# KiCad board CYOA_Ortho.kicad_pcb
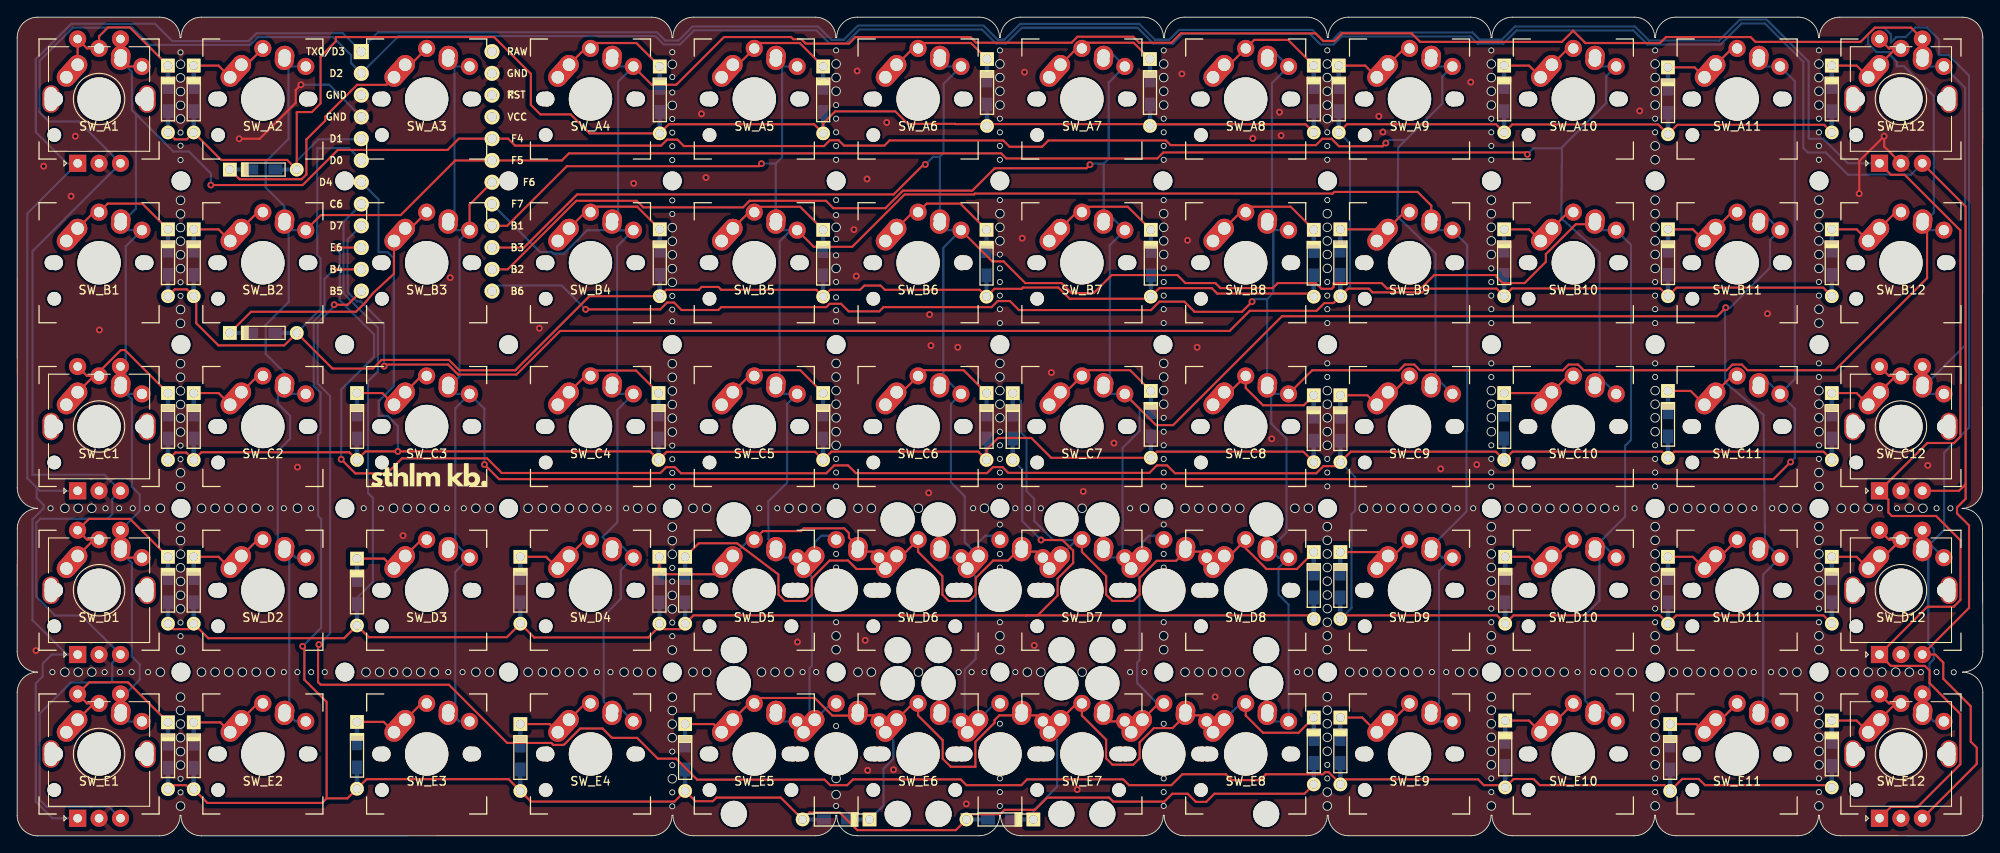
[diagram p0: board, top side]
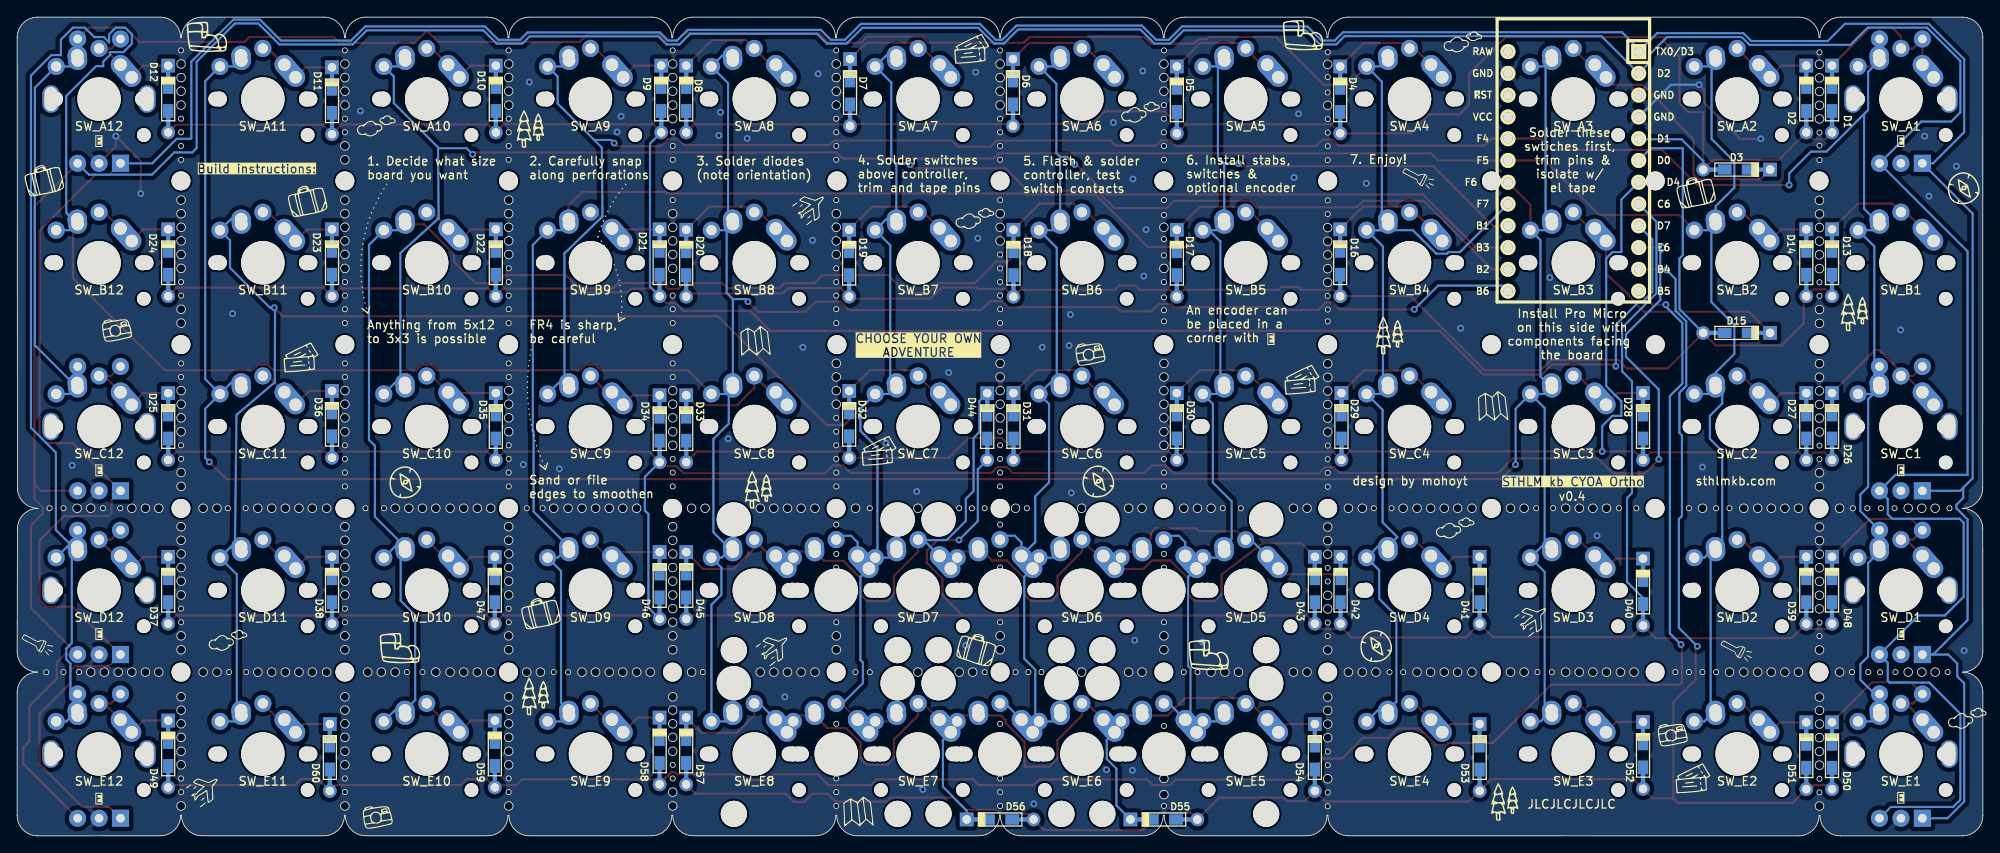
[diagram p1: board, bottom side, seen from below]

Outline 229.2 x 95.5 mm; copper layers: Top, Bottom. Coordinates in mm from the lower left corner of the outline.
Outline path: circle c3.89,38.21 r0.3 ; circle c4.11,19.1 r0.3 ; circle c5.56,38.21 r0.5 ; circle c5.56,19.1 r0.5 ; circle c7.12,38.21 r0.5 ; circle c7.12,19.1 r0.5 ; circle c8.71,38.21 r0.5 ; circle c8.71,19.1 r0.5 ; circle c10.2,19.1 r0.3 ; circle c10.3,38.21 r0.3 ; circle c11.89,38.21 r0.3 ; circle c11.99,19.1 r0.3 ; circle c13.36,19.1 r0.3 ; circle c13.48,38.21 r0.3 ; circle c15.14,38.21 r0.3 ; circle c15.26,19.1 r0.3 ; circle c16.7,38.21 r0.5 ; circle c16.7,19.1 r0.5 ; circle c19.05,91.39 r0.3 ; circle c19.05,90.01 r0.5 ; circle c19.05,88.42 r0.5 ; circle c19.05,86.83 r0.5 ; circle c19.05,85.21 r0.5 ; circle c19.05,83.63 r0.5 ; circle c19.05,82.04 r0.3 ; circle c19.05,80.5 r0.3 ; circle c19.05,78.83 r0.3 ; circle c19.05,74.13 r0.5 ; circle c19.05,72.54 r0.5 ; circle c19.05,70.96 r0.5 ; circle c19.05,69.37 r0.5 ; circle c19.05,67.78 r0.5 ; circle c19.05,66.16 r0.5 ; circle c19.05,64.58 r0.3 ; circle c19.05,62.99 r0.3 ; circle c19.05,61.4 r0.5 ; circle c19.05,59.78 r0.5 ; circle c19.05,55.08 r0.5 ; circle c19.05,53.49 r0.5 ; circle c19.05,51.91 r0.5 ; circle c19.05,50.32 r0.5 ; circle c19.05,48.73 r0.5 ; circle c19.05,47.11 r0.5 ; circle c19.05,45.53 r0.3 ; circle c19.05,43.94 r0.3 ; circle c19.05,42.35 r0.5 ; circle c19.05,40.73 r0.5 ; circle c19.05,36.03 r0.5 ; circle c19.05,34.44 r0.5 ; circle c19.05,32.86 r0.5 ; circle c19.05,31.27 r0.5 ; circle c19.05,29.68 r0.5 ; circle c19.05,28.06 r0.5 ; circle c19.05,26.48 r0.5 ; circle c19.05,24.89 r0.3 ; circle c19.05,23.3 r0.3 ; circle c19.05,21.68 r0.5 ; circle c19.05,16.19 r0.5 ; circle c19.05,14.63 r0.5 ; circle c19.05,13.04 r0.5 ; circle c19.05,11.46 r0.5 ; circle c19.05,9.84 r0.5 ; circle c19.05,8.25 r0.5 ; circle c19.05,6.66 r0.3 ; circle c19.05,5.08 r0.3 ; circle c19.05,3.47 r0.5 ; circle c21.49,38.21 r0.5 ; circle c21.49,19.1 r0.5 ; circle c23.08,38.21 r0.5 ; circle c23.08,19.1 r0.5 ; circle c24.67,38.21 r0.5 ; circle c24.67,19.1 r0.5 ; circle c26.26,38.21 r0.5 ; circle c26.26,19.1 r0.5 ; circle c27.88,38.21 r0.5 ; circle c27.88,19.1 r0.5 ; circle c29.54,38.21 r0.3 ; circle c29.54,19.1 r0.5 ; circle c31.1,38.21 r0.3 ; circle c31.1,19.1 r0.3 ; circle c32.69,38.21 r0.5 ; circle c32.69,19.1 r0.3 ; circle c34.28,38.21 r0.3 ; circle c34.28,19.1 r0.3 ; circle c35.86,19.1 r0.3 ; circle c40.41,38.21 r0.3 ; circle c40.67,19.1 r0.5 ; circle c42.26,19.1 r0.5 ; circle c42.43,38.21 r0.3 ; circle c43.88,38.21 r0.5 ; circle c43.88,19.1 r0.5 ; circle c45.47,38.21 r0.5 ; circle c45.47,19.1 r0.5 ; circle c47.06,38.21 r0.5 ; circle c47.06,19.1 r0.5 ; circle c48.64,38.21 r0.5 ; circle c48.64,19.1 r0.5 ; circle c50.11,38.21 r0.3 ; circle c50.26,19.1 r0.3 ; circle c51.93,19.1 r0.3 ; circle c52.08,38.21 r0.3 ; circle c53.49,38.21 r0.5 ; circle c53.49,19.1 r0.5 ; circle c55.07,38.21 r0.5 ; circle c55.07,19.1 r0.5 ; circle c59.58,38.21 r0.5 ; circle c59.58,19.1 r0.5 ; circle c61.24,38.21 r0.5 ; circle c61.24,19.1 r0.5 ; circle c62.8,38.21 r0.5 ; circle c62.8,19.1 r0.5 ; circle c64.39,38.21 r0.5 ; circle c64.39,19.1 r0.5 ; circle c65.97,38.21 r0.5 ; circle c65.97,19.1 r0.5 ; circle c67.59,38.21 r0.5 ; circle c67.59,19.1 r0.3 ; circle c68.95,38.21 r0.3 ; circle c69.18,19.1 r0.3 ; circle c70.77,19.1 r0.5 ; circle c71.01,38.21 r0.3 ; circle c72.36,38.21 r0.5 ; circle c72.36,19.1 r0.5 ; circle c73.97,38.21 r0.5 ; circle c73.97,19.1 r0.5 ; circle c76.39,91.41 r0.3 ; circle c76.39,90 r0.5 ; circle c76.39,88.51 r0.3 ; circle c76.39,86.71 r0.3 ; circle c76.39,85.21 r0.5 ; circle c76.39,83.62 r0.3 ; circle c76.39,82.03 r0.3 ; circle c76.39,80.44 r0.3 ; circle c76.39,78.83 r0.3 ; circle c76.39,74.13 r0.3 ; circle c76.39,72.54 r0.3 ; circle c76.39,70.95 r0.5 ; circle c76.39,69.36 r0.5 ; circle c76.39,67.78 r0.5 ; circle c76.39,66.16 r0.5 ; circle c76.39,64.57 r0.5 ; circle c76.39,62.98 r0.3 ; circle c76.39,61.39 r0.3 ; circle c76.39,60.01 r0.3 ; circle c76.39,55.08 r0.5 ; circle c76.39,53.49 r0.5 ; circle c76.39,51.9 r0.5 ; circle c76.39,50.31 r0.5 ; circle c76.39,48.73 r0.5 ; circle c76.39,47.11 r0.5 ; circle c76.39,45.52 r0.3 ; circle c76.39,43.93 r0.3 ; circle c76.39,42.34 r0.3 ; circle c76.39,40.73 r0.3 ; circle c76.39,36.03 r0.5 ; circle c76.39,34.44 r0.5 ; circle c76.39,32.85 r0.5 ; circle c76.39,31.26 r0.3 ; circle c76.39,29.68 r0.3 ; circle c76.39,28.06 r0.5 ; circle c76.39,26.47 r0.5 ; circle c76.39,24.88 r0.3 ; circle c76.39,23.29 r0.3 ; circle c76.39,21.68 r0.5 ; circle c76.39,16.18 r0.5 ; circle c76.39,14.63 r0.5 ; circle c76.39,13.04 r0.5 ; circle c76.39,11.45 r0.5 ; circle c76.39,9.83 r0.3 ; circle c76.39,8.24 r0.3 ; circle c76.39,6.66 r0.5 ; circle c76.39,5.07 r0.3 ; circle c76.39,3.45 r0.3 ; circle c78.8,38.21 r0.5 ; circle c78.8,19.1 r0.5 ; circle c80.39,38.21 r0.5 ; circle c80.39,19.1 r0.5 ; circle c86.53,38.21 r0.3 ; circle c86.79,19.1 r0.5 ; circle c88.38,19.1 r0.5 ; circle c88.63,38.21 r0.3 ; circle c89.99,38.21 r0.5 ; circle c89.99,19.1 r0.5 ; circle c91.58,38.21 r0.5 ; circle c91.58,19.1 r0.3 ; circle c93.17,38.21 r0.5 ; circle c93.17,19.1 r0.3 ; circle c95.49,91.63 r0.3 ; circle c95.49,90.04 r0.5 ; circle c95.49,88.45 r0.5 ; circle c95.49,86.86 r0.5 ; circle c95.49,85.24 r0.3 ; circle c95.49,83.66 r0.3 ; circle c95.49,82.07 r0.3 ; circle c95.49,80.48 r0.3 ; circle c95.49,78.86 r0.3 ; circle c95.49,74.16 r0.3 ; circle c95.49,72.41 r0.3 ; circle c95.49,70.99 r0.5 ; circle c95.49,69.61 r0.3 ; circle c95.49,67.71 r0.3 ; circle c95.49,66.19 r0.5 ; circle c95.49,64.61 r0.3 ; circle c95.49,62.81 r0.3 ; circle c95.49,61.31 r0.3 ; circle c95.49,60.01 r0.3 ; circle c95.49,55.11 r0.5 ; circle c95.49,53.53 r0.5 ; circle c95.49,51.94 r0.5 ; circle c95.49,50.35 r0.5 ; circle c95.49,48.76 r0.5 ; circle c95.49,47.14 r0.5 ; circle c95.49,45.56 r0.5 ; circle c95.49,43.97 r0.3 ; circle c95.49,42.38 r0.3 ; circle c95.49,40.76 r0.3 ; circle c95.49,32.89 r0.3 ; circle c95.49,31.3 r0.3 ; circle c95.49,24.92 r0.3 ; circle c95.49,23.33 r0.5 ; circle c95.49,21.71 r0.5 ; circle c95.49,12.81 r0.3 ; circle c95.49,6.69 r0.5 ; circle c95.49,4.81 r0.5 ; circle c95.49,3.49 r0.3 ; circle c98.04,38.21 r0.5 ; circle c98.04,19.1 r0.5 ; circle c99.6,38.21 r0.5 ; circle c99.6,19.1 r0.5 ; circle c105.09,38.21 r0.5 ; circle c105.09,19.1 r0.5 ; circle c109.77,19.1 r0.3 ; circle c111.29,19.1 r0.3 ; circle c111.47,38.21 r0.3 ; circle c112.79,38.21 r0.5 ; circle c112.79,19.1 r0.3 ; circle c114.59,91.63 r0.3 ; circle c114.59,90.04 r0.5 ; circle c114.59,88.45 r0.5 ; circle c114.59,86.86 r0.5 ; circle c114.59,85.24 r0.5 ; circle c114.59,83.66 r0.3 ; circle c114.59,82.07 r0.3 ; circle c114.59,80.48 r0.3 ; circle c114.59,78.86 r0.3 ; circle c114.59,74.16 r0.3 ; circle c114.59,72.58 r0.5 ; circle c114.59,70.99 r0.5 ; circle c114.59,69.4 r0.5 ; circle c114.59,67.81 r0.3 ; circle c114.59,66.19 r0.3 ; circle c114.59,64.61 r0.3 ; circle c114.59,63.02 r0.3 ; circle c114.59,61.43 r0.3 ; circle c114.59,59.81 r0.3 ; circle c114.59,55.11 r0.5 ; circle c114.59,53.53 r0.5 ; circle c114.59,51.94 r0.5 ; circle c114.59,50.35 r0.5 ; circle c114.59,48.76 r0.5 ; circle c114.59,47.14 r0.3 ; circle c114.59,45.56 r0.3 ; circle c114.59,43.97 r0.3 ; circle c114.59,42.38 r0.3 ; circle c114.59,40.76 r0.3 ; circle c114.59,36.31 r0.3 ; circle c114.59,32.89 r0.3 ; circle c114.59,31.3 r0.3 ; circle c114.59,24.92 r0.3 ; circle c114.59,23.33 r0.5 ; circle c114.59,21.71 r0.5 ; circle c114.59,13.08 r0.3 ; circle c114.59,6.69 r0.3 ; circle c114.59,5.11 r0.3 ; circle c114.59,3.49 r0.3 ; circle c116.39,38.21 r0.3 ; circle c116.39,19.1 r0.3 ; circle c117.79,19.1 r0.5 ; circle c117.89,38.21 r0.3 ; circle c119.36,38.21 r0.3 ; circle c119.36,19.1 r0.5 ; circle c124.17,38.21 r0.5 ; circle c124.17,19.1 r0.5 ; circle c129.78,38.21 r0.3 ; circle c129.78,19.1 r0.3 ; circle c131.44,38.21 r0.5 ; circle c131.44,19.1 r0.3 ; circle c133.69,91.63 r0.3 ; circle c133.69,90.04 r0.5 ; circle c133.69,88.45 r0.5 ; circle c133.69,86.86 r0.5 ; circle c133.69,85.24 r0.5 ; circle c133.69,83.66 r0.3 ; circle c133.69,82.07 r0.3 ; circle c133.69,80.48 r0.3 ; circle c133.69,78.86 r0.3 ; circle c133.69,74.16 r0.3 ; circle c133.69,72.58 r0.5 ; circle c133.69,70.99 r0.5 ; circle c133.69,69.4 r0.5 ; circle c133.69,67.81 r0.5 ; circle c133.69,66.19 r0.3 ; circle c133.69,64.61 r0.3 ; circle c133.69,63.02 r0.3 ; circle c133.69,61.43 r0.3 ; circle c133.69,59.81 r0.3 ; circle c133.69,55.11 r0.5 ; circle c133.69,53.53 r0.5 ; circle c133.69,51.94 r0.5 ; circle c133.69,50.35 r0.5 ; circle c133.69,48.76 r0.3 ; circle c133.69,47.14 r0.3 ; circle c133.69,45.56 r0.3 ; circle c133.69,43.97 r0.3 ; circle c133.69,42.38 r0.3 ; circle c133.69,40.76 r0.3 ; circle c133.69,36.31 r0.3 ; circle c133.69,32.89 r0.3 ; circle c133.69,31.3 r0.3 ; circle c133.69,24.92 r0.3 ; circle c133.69,23.33 r0.5 ; circle c133.69,21.71 r0.5 ; circle c133.69,13.08 r0.3 ; circle c133.69,6.69 r0.3 ; circle c133.69,5.11 r0.3 ; circle c133.69,3.49 r0.3 ; circle c136.18,38.21 r0.5 ; circle c136.18,19.1 r0.5 ; circle c137.79,38.21 r0.5 ; circle c137.79,19.1 r0.5 ; circle c139.38,38.21 r0.5 ; circle c139.38,19.1 r0.5 ; circle c140.97,38.21 r0.5 ; circle c140.97,19.1 r0.5 ; circle c142.56,38.21 r0.5 ; circle c142.56,19.1 r0.5 ; circle c148.99,38.21 r0.5 ; circle c149.25,19.1 r0.3 ; circle c150.56,38.21 r0.5 ; circle c150.56,19.1 r0.5 ; circle c152.76,91.63 r0.3 ; circle c152.76,90.04 r0.5 ; circle c152.76,88.45 r0.5 ; circle c152.76,86.86 r0.5 ; circle c152.76,85.24 r0.5 ; circle c152.76,83.66 r0.5 ; circle c152.76,82.07 r0.3 ; circle c152.76,80.48 r0.3 ; circle c152.76,78.86 r0.3 ; circle c152.76,74.16 r0.3 ; circle c152.76,72.58 r0.5 ; circle c152.76,70.99 r0.5 ; circle c152.76,69.4 r0.5 ; circle c152.76,67.81 r0.5 ; circle c152.76,66.19 r0.5 ; circle c152.76,64.61 r0.3 ; circle c152.76,63.02 r0.3 ; circle c152.76,61.43 r0.3 ; circle c152.76,59.81 r0.3 ; circle c152.76,55.11 r0.3 ; circle c152.76,53.53 r0.3 ; circle c152.76,51.94 r0.5 ; circle c152.76,50.35 r0.5 ; circle c152.76,48.76 r0.5 ; circle c152.76,47.14 r0.5 ; circle c152.76,45.56 r0.5 ; circle c152.76,43.97 r0.3 ; circle c152.76,42.38 r0.3 ; circle c152.76,40.76 r0.3 ; circle c152.76,36.06 r0.5 ; circle c152.76,34.48 r0.5 ; circle c152.76,32.89 r0.5 ; circle c152.76,31.3 r0.5 ; circle c152.76,29.71 r0.5 ; circle c152.76,28.09 r0.5 ; circle c152.76,26.51 r0.5 ; circle c152.76,24.92 r0.5 ; circle c152.76,23.33 r0.5 ; circle c152.76,21.71 r0.5 ; circle c152.76,16.22 r0.5 ; circle c152.76,14.66 r0.5 ; circle c152.76,13.08 r0.5 ; circle c152.76,11.49 r0.5 ; circle c152.76,9.87 r0.5 ; circle c152.76,8.28 r0.3 ; circle c152.76,6.69 r0.3 ; circle c152.76,5.11 r0.5 ; circle c152.76,3.49 r0.5 ; circle c155.38,19.1 r0.5 ; circle c156.96,38.21 r0.5 ; circle c156.96,19.1 r0.5 ; circle c158.58,38.21 r0.5 ; circle c158.58,19.1 r0.5 ; circle c160.17,38.21 r0.5 ; circle c160.17,19.1 r0.5 ; circle c161.76,38.21 r0.5 ; circle c161.76,19.1 r0.5 ; circle c163.34,38.21 r0.5 ; circle c163.34,19.1 r0.5 ; circle c164.96,38.21 r0.5 ; circle c164.96,19.1 r0.3 ; circle c166.63,38.21 r0.5 ; circle c166.63,19.1 r0.3 ; circle c167.93,38.21 r0.3 ; circle c168.19,19.1 r0.5 ; circle c169.78,38.21 r0.3 ; circle c169.78,19.1 r0.5 ; circle c171.89,91.63 r0.3 ; circle c171.89,90.04 r0.5 ; circle c171.89,88.45 r0.5 ; circle c171.89,86.86 r0.5 ; circle c171.89,85.24 r0.5 ; circle c171.89,83.66 r0.3 ; circle c171.89,82.07 r0.3 ; circle c171.89,80.48 r0.3 ; circle c171.89,78.86 r0.3 ; circle c171.89,74.16 r0.5 ; circle c171.89,72.58 r0.5 ; circle c171.89,70.99 r0.5 ; circle c171.89,69.4 r0.5 ; circle c171.89,67.81 r0.5 ; circle c171.89,66.19 r0.3 ; circle c171.89,64.61 r0.3 ; circle c171.89,63.02 r0.3 ; circle c171.89,61.43 r0.3 ; circle c171.89,59.81 r0.3 ; circle c171.89,55.11 r0.3 ; circle c171.89,53.53 r0.3 ; circle c171.89,51.94 r0.5 ; circle c171.89,50.35 r0.5 ; circle c171.89,48.76 r0.5 ; circle c171.89,47.14 r0.5 ; circle c171.89,45.56 r0.3 ; circle c171.89,43.97 r0.3 ; circle c171.89,42.38 r0.3 ; circle c171.89,40.76 r0.3 ; circle c171.89,36.06 r0.5 ; circle c171.89,34.48 r0.5 ; circle c171.89,32.89 r0.5 ; circle c171.89,31.3 r0.5 ; circle c171.89,29.71 r0.5 ; circle c171.89,28.09 r0.5 ; circle c171.89,26.51 r0.3 ; circle c171.89,24.92 r0.3 ; circle c171.89,23.33 r0.5 ; circle c171.89,21.71 r0.5 ; circle c171.89,16.22 r0.5 ; circle c171.89,14.66 r0.5 ; circle c171.89,13.08 r0.5 ; circle c171.89,11.49 r0.5 ; circle c171.89,9.87 r0.5 ; circle c171.89,8.28 r0.5 ; circle c171.89,6.69 r0.3 ; circle c171.89,5.11 r0.3 ; circle c171.89,3.49 r0.5 ; circle c173.99,38.21 r0.5 ; circle c173.99,19.1 r0.5 ; circle c175.54,38.21 r0.5 ; circle c175.54,19.1 r0.5 ; circle c177.13,38.21 r0.5 ; circle c177.13,19.1 r0.5 ; circle c178.72,38.21 r0.5 ; circle c178.72,19.1 r0.5 ; circle c180.39,38.21 r0.5 ; circle c180.39,19.1 r0.5 ; circle c181.94,38.21 r0.5 ; circle c181.94,19.1 r0.3 ; circle c183.53,38.21 r0.5 ; circle c183.76,19.1 r0.3 ; circle c185.12,38.21 r0.5 ; circle c185.12,19.1 r0.5 ; circle c186.43,38.21 r0.3 ; circle c186.74,19.1 r0.5 ; circle c188.32,19.1 r0.5 ; circle c188.59,38.21 r0.3 ; circle c190.99,91.63 r0.3 ; circle c190.99,90.04 r0.5 ; circle c190.99,88.45 r0.5 ; circle c190.99,86.86 r0.5 ; circle c190.99,85.24 r0.5 ; circle c190.99,83.66 r0.3 ; circle c190.99,82.07 r0.3 ; circle c190.99,80.48 r0.5 ; circle c190.99,78.86 r0.5 ; circle c190.99,74.16 r0.5 ; circle c190.99,72.58 r0.5 ; circle c190.99,70.99 r0.5 ; circle c190.99,69.4 r0.5 ; circle c190.99,67.81 r0.5 ; circle c190.99,66.19 r0.5 ; circle c190.99,64.61 r0.3 ; circle c190.99,63.02 r0.3 ; circle c190.99,61.43 r0.3 ; circle c190.99,59.81 r0.3 ; circle c190.99,55.11 r0.3 ; circle c190.99,53.53 r0.3 ; circle c190.99,51.94 r0.5 ; circle c190.99,50.35 r0.5 ; circle c190.99,48.76 r0.5 ; circle c190.99,47.14 r0.5 ; circle c190.99,45.56 r0.3 ; circle c190.99,43.97 r0.3 ; circle c190.99,42.38 r0.3 ; circle c190.99,40.76 r0.3 ; circle c190.99,36.06 r0.5 ; circle c190.99,34.48 r0.5 ; circle c190.99,32.89 r0.5 ; circle c190.99,31.3 r0.5 ; circle c190.99,29.71 r0.5 ; circle c190.99,28.09 r0.5 ; circle c190.99,26.51 r0.3 ; circle c190.99,24.92 r0.3 ; circle c190.99,23.33 r0.5 ; circle c190.99,21.71 r0.5 ; circle c190.99,16.22 r0.5 ; circle c190.99,14.66 r0.5 ; circle c190.99,13.08 r0.5 ; circle c190.99,11.49 r0.5 ; circle c190.99,9.87 r0.5 ; circle c190.99,8.28 r0.5 ; circle c190.99,6.69 r0.3 ; circle c190.99,5.11 r0.3 ; circle c190.99,3.49 r0.5 ; circle c193.12,38.21 r0.5 ; circle c193.12,19.1 r0.5 ; circle c194.79,38.21 r0.5 ; circle c194.79,19.1 r0.5 ; circle c196.34,38.21 r0.5 ; circle c196.34,19.1 r0.5 ; circle c197.93,38.21 r0.5 ; circle c197.93,19.1 r0.5 ; circle c199.52,38.21 r0.5 ; circle c199.52,19.1 r0.5 ; circle c201.14,38.21 r0.5 ; circle c201.14,19.1 r0.5 ; circle c202.49,19.1 r0.3 ; circle c202.56,38.21 r0.3 ; circle c204.5,19.1 r0.3 ; circle c204.64,38.21 r0.3 ; circle c205.9,38.21 r0.5 ; circle c205.9,19.1 r0.5 ; circle c207.52,38.21 r0.5 ; circle c207.52,19.1 r0.5 ; circle c210.09,91.63 r0.3 ; circle c210.09,90.04 r0.5 ; circle c210.09,88.45 r0.5 ; circle c210.09,86.86 r0.5 ; circle c210.09,85.24 r0.5 ; circle c210.09,83.66 r0.3 ; circle c210.09,82.07 r0.3 ; circle c210.09,80.48 r0.3 ; circle c210.09,78.86 r0.3 ; circle c210.09,74.16 r0.5 ; circle c210.09,72.58 r0.5 ; circle c210.09,70.99 r0.5 ; circle c210.09,69.4 r0.5 ; circle c210.09,67.81 r0.5 ; circle c210.09,66.19 r0.5 ; circle c210.09,64.61 r0.3 ; circle c210.09,63.02 r0.3 ; circle c210.09,61.43 r0.5 ; circle c210.09,59.81 r0.5 ; circle c210.09,55.11 r0.3 ; circle c210.09,53.53 r0.3 ; circle c210.09,51.94 r0.5 ; circle c210.09,50.35 r0.5 ; circle c210.09,48.76 r0.5 ; circle c210.09,47.14 r0.5 ; circle c210.09,45.56 r0.3 ; circle c210.09,43.97 r0.3 ; circle c210.09,42.38 r0.5 ; circle c210.09,40.76 r0.5 ; circle c210.09,36.06 r0.5 ; circle c210.09,34.48 r0.5 ; circle c210.09,32.89 r0.5 ; circle c210.09,31.3 r0.5 ; circle c210.09,29.71 r0.5 ; circle c210.09,28.09 r0.5 ; circle c210.09,26.51 r0.3 ; circle c210.09,24.92 r0.3 ; circle c210.09,23.33 r0.5 ; circle c210.09,21.71 r0.5 ; circle c210.09,16.22 r0.5 ; circle c210.09,14.66 r0.5 ; circle c210.09,13.08 r0.5 ; circle c210.09,11.49 r0.5 ; circle c210.09,9.87 r0.5 ; circle c210.09,8.28 r0.5 ; circle c210.09,6.69 r0.3 ; circle c210.09,5.11 r0.3 ; circle c210.09,3.49 r0.5 ; circle c212.69,38.21 r0.5 ; circle c212.69,19.1 r0.5 ; circle c214.24,38.21 r0.5 ; circle c214.24,19.1 r0.5 ; circle c215.83,38.21 r0.5 ; circle c215.83,19.1 r0.5 ; circle c217.19,38.21 r0.3 ; circle c217.42,19.1 r0.5 ; circle c219.04,19.1 r0.5 ; circle c219.19,38.21 r0.3 ; circle c220.62,38.21 r0.5 ; circle c220.62,19.1 r0.5 ; circle c221.98,19.1 r0.3 ; circle c222.21,38.21 r0.5 ; circle c223.8,38.21 r0.3 ; circle c223.8,19.1 r0.3 ; circle c225.42,38.21 r0.3 ; circle c225.81,19.08 r0.3 ; 0,93.11 0.01,40.59 arc(0.71,38.9) 2.4,38.2 arc(0.71,37.5) 0.01,35.81 0,21.49 arc(0.7,19.8) 2.39,19.1 arc(0.7,18.4) 0,16.71 0,2.39 arc(0.7,0.7) 2.39,0 16.61,0 arc(18.3,0.7) 19,2.39 19.1,2.39 arc(19.8,0.7) 21.49,0 73.97,0.01 arc(75.66,0.71) 76.36,2.4 76.46,2.4 arc(77.16,0.71) 78.85,0.01 93.07,0.01 arc(94.76,0.71) 95.46,2.4 95.56,2.4 arc(96.26,0.71) 97.95,0.01 112.17,0.01 arc(113.86,0.71) 114.56,2.4 114.66,2.4 arc(115.36,0.71) 117.05,0.01 131.25,0.01 arc(132.94,0.71) 133.64,2.4 133.74,2.4 arc(134.44,0.71) 136.13,0.01 150.37,0.01 arc(152.06,0.71) 152.76,2.4 152.86,2.4 arc(153.56,0.71) 155.25,0.01 169.47,0.01 arc(171.16,0.71) 171.86,2.4 171.96,2.4 arc(172.66,0.71) 174.35,0.01 188.55,0.01 arc(190.24,0.71) 190.94,2.4 191.04,2.4 arc(191.74,0.71) 193.43,0.01 207.65,0.01 arc(209.34,0.71) 210.04,2.4 210.14,2.4 arc(210.84,0.71) 212.53,0.01 226.81,0 arc(228.5,0.7) 229.2,2.39 229.2,16.71 arc(228.5,18.4) 226.81,19.1 arc(228.5,19.8) 229.2,21.49 229.16,35.81 arc(228.46,37.5) 226.77,38.2 arc(228.46,38.9) 229.16,40.59 229.2,93.11 arc(228.5,94.8) 226.81,95.5 212.53,95.5 arc(210.84,94.8) 210.14,93.11 210.04,93.11 arc(209.34,94.8) 207.65,95.5 193.43,95.5 arc(191.74,94.8) 191.04,93.11 190.94,93.11 arc(190.24,94.8) 188.55,95.5 174.35,95.5 arc(172.66,94.8) 171.96,93.11 171.86,93.11 arc(171.16,94.8) 169.47,95.5 155.25,95.5 arc(153.56,94.8) 152.86,93.11 152.76,93.11 arc(152.06,94.8) 150.37,95.5 136.15,95.5 arc(134.46,94.8) 133.76,93.11 133.66,93.11 arc(132.96,94.8) 131.27,95.5 117.03,95.5 arc(115.34,94.8) 114.64,93.11 114.54,93.11 arc(113.84,94.8) 112.15,95.5 97.95,95.5 arc(96.26,94.8) 95.56,93.11 95.46,93.11 arc(94.76,94.8) 93.07,95.5 78.85,95.5 arc(77.16,94.8) 76.46,93.11 76.36,93.11 arc(75.66,94.8) 73.97,95.5 21.49,95.5 arc(19.8,94.8) 19.1,93.11 19,93.11 arc(18.3,94.8) 16.61,95.5 2.39,95.5 arc(0.7,94.8) 0,93.11

## Placement (name value [footprint] x y rotation side)
D1  D_Small  [Diode-Hybrid-Back]  17.59 85.95 90 top
D2  D_Small  [Diode-Hybrid-Back]  20.59 85.95 90 top
D3  D_Small  [Diode-Hybrid-Back]  28.7 77.72 180 top
D4  D_Small  [Diode-Hybrid-Back]  74.93 85.85 90 top
D5  D_Small  [Diode-Hybrid-Back]  93.98 85.85 90 top
D6  D_Small  [Diode-Hybrid-Back]  113.09 86.71 90 top
D7  D_Small  [Diode-Hybrid-Back]  132.09 86.71 90 top
D8  D_Small  [Diode-Hybrid-Back]  151.19 85.95 90 top
D9  D_Small  [Diode-Hybrid-Back]  154.1 85.95 90 top
D10  D_Small  [Diode-Hybrid-Back]  173.39 85.95 90 top
D11  D_Small  [Diode-Hybrid-Back]  192.49 85.74 90 top
D12  D_Small  [Diode-Hybrid-Back]  211.59 85.95 90 top
D13  D_Small  [Diode-Hybrid-Back]  17.59 66.85 90 top
D14  D_Small  [Diode-Hybrid-Back]  20.59 66.85 90 top
D15  D_Small  [Diode-Hybrid-Back]  28.7 58.67 180 top
D16  D_Small  [Diode-Hybrid-Back]  74.93 66.85 90 top
D17  D_Small  [Diode-Hybrid-Back]  93.98 66.8 90 top
D18  D_Small  [Diode-Hybrid-Back]  113.03 66.8 90 top
D19  D_Small  [Diode-Hybrid-Back]  132.19 66.8 90 top
D20  D_Small  [Diode-Hybrid-Back]  151.19 66.8 90 top
D21  D_Small  [Diode-Hybrid-Back]  154.29 66.85 90 top
D22  D_Small  [Diode-Hybrid-Back]  173.39 66.85 90 top
D23  D_Small  [Diode-Hybrid-Back]  192.49 66.85 90 top
D24  D_Small  [Diode-Hybrid-Back]  211.59 66.85 90 top
D25  D_Small  [Diode-Hybrid-Back]  211.59 47.75 90 top
D26  D_Small  [Diode-Hybrid-Back]  17.59 47.75 90 top
D27  D_Small  [Diode-Hybrid-Back]  20.59 47.75 90 top
D28  D_Small  [Diode-Hybrid-Back]  39.63 47.75 90 top
D29  D_Small  [Diode-Hybrid-Back]  74.79 47.75 90 top
D30  D_Small  [Diode-Hybrid-Back]  93.98 47.75 90 top
D31  D_Small  [Diode-Hybrid-Back]  113.03 47.75 90 top
D32  D_Small  [Diode-Hybrid-Back]  132.19 48 90 top
D33  D_Small  [Diode-Hybrid-Back]  151.19 47.49 90 top
D34  D_Small  [Diode-Hybrid-Back]  154.29 47.49 90 top
D35  D_Small  [Diode-Hybrid-Back]  173.39 47.75 90 top
D36  D_Small  [Diode-Hybrid-Back]  192.49 48 90 top
D37  D_Small  [Diode-Hybrid-Back]  211.59 28.65 90 top
D38  D_Small  [Diode-Hybrid-Back]  192.49 28.65 90 top
D39  D_Small  [Diode-Hybrid-Back]  20.59 28.65 90 top
D40  D_Small  [Diode-Hybrid-Back]  39.63 28.44 90 top
D41  D_Small  [Diode-Hybrid-Back]  58.68 28.65 90 top
D42  D_Small  [Diode-Hybrid-Back]  74.89 28.65 90 top
D43  D_Small  [Diode-Hybrid-Back]  77.89 28.65 90 top
D44  D_Small  [Diode-Hybrid-Back]  116.09 47.74 90 top
D45  D_Small  [Diode-Hybrid-Back]  151.19 29.2 90 top
D46  D_Small  [Diode-Hybrid-Back]  154.29 29.2 90 top
D47  D_Small  [Diode-Hybrid-Back]  173.51 28.65 90 top
D48  D_Small  [Diode-Hybrid-Back]  17.59 28.65 90 top
D49  D_Small  [Diode-Hybrid-Back]  211.59 9.55 90 top
D50  D_Small  [Diode-Hybrid-Back]  17.59 9.34 90 top
D51  D_Small  [Diode-Hybrid-Back]  20.59 9.34 90 top
D52  D_Small  [Diode-Hybrid-Back]  39.63 9.39 90 top
D53  D_Small  [Diode-Hybrid-Back]  58.68 9.14 90 top
D54  D_Small  [Diode-Hybrid-Back]  77.89 9.14 90 top
D55  D_Small  [Diode-Hybrid-Back]  95.49 1.91 0 top
D56  D_Small  [Diode-Hybrid-Back]  114.59 1.91 0 top
D57  D_Small  [Diode-Hybrid-Back]  151.19 9.9 90 top
D58  D_Small  [Diode-Hybrid-Back]  154.29 9.9 90 top
D59  D_Small  [Diode-Hybrid-Back]  173.51 9.55 90 top
D60  D_Small  [Diode-Hybrid-Back]  192.74 9.14 90 top
G***  -  [LOGO]  48.09 41.73 0 top
G***#2  -  [LOGO]  187.09 2.21 180 bottom
G***#3  -  [LOGO]  61.59 35.91 180 bottom
G***#4  -  [LOGO]  141.09 21.61 180 bottom
G***#5  -  [LOGO]  183.89 41.21 180 bottom
G***#6  -  [LOGO]  131.09 2.81 180 bottom
G***#7  -  [LOGO]  2.19 75.51 180 bottom
G***#8  -  [LOGO]  168.19 25.91 180 bottom
G***#9  -  [LOGO]  117.39 21.71 210 bottom
G***#10  -  [LOGO]  14.99 61.01 180 bottom
G***#11  -  [LOGO]  55.79 3.91 180 bottom
G***#12  -  [LOGO]  98.29 84.41 180 bottom
G***#13  -  [LOGO]  34.03 6.63 180 bottom
G***#14  -  [LOGO]  69.19 58.31 180 bottom
G***#15  -  [LOGO]  217.49 59.01 180 bottom
G***#16  -  [LOGO]  204.69 22.81 180 bottom
G***#17  -  [LOGO]  207.53 5.14 180 bottom
G***#18  -  [LOGO]  1.89 13.71 180 bottom
G***#19  -  [LOGO]  184.69 21.91 180 bottom
G***#20  -  [LOGO]  28.69 21.61 180 bottom
G***#21  -  [LOGO]  187.39 82.81 180 bottom
G***#22  -  [LOGO]  117.59 72.01 180 bottom
G***#23  -  [LOGO]  136.83 73.04 180 bottom
G***#24  -  [LOGO]  79.39 93.41 180 bottom
G***#25  -  [LOGO]  70.69 22.11 180 bottom
G***#26  -  [LOGO]  196.33 55.73 180 bottom
G***#27  -  [LOGO]  90.39 21.11 180 bottom
G***#28  -  [LOGO]  143.09 57.71 180 bottom
G***#29  -  [LOGO]  118.13 91.73 180 bottom
G***#30  -  [LOGO]  36.09 11.81 180 bottom
G***#31  -  [LOGO]  226.79 22.31 180 bottom
G***#32  -  [LOGO]  142.79 40.31 180 bottom
G***#33  -  [LOGO]  103.99 56.21 180 bottom
G***#34  -  [LOGO]  207.19 93.21 180 bottom
G***#35  -  [LOGO]  57.09 50.11 180 bottom
G***#36  -  [LOGO]  79.63 53.13 180 bottom
G***#37  -  [LOGO]  103.09 41.31 180 bottom
G***#38  -  [LOGO]  195.39 74.01 180 bottom
G***#39  -  [LOGO]  65.79 76.71 180 bottom
G***#40  -  [LOGO]  52.63 25.04 180 bottom
G***#41  -  [LOGO]  33.49 75.01 180 bottom
G***#42  -  [LOGO]  168.79 16.21 180 bottom
G***#43  -  [LOGO]  128.93 44.83 180 bottom
G***#44  -  [LOGO]  169.39 82.41 180 bottom
G***#45  -  [LOGO]  60.69 92.61 180 bottom
G***#46  -  [LOGO]  226.09 76.41 180 bottom
REF**  -  [MountingHole_2.2mm_M2]  171.9 57.3 0 top
REF**#2  -  [MountingHole_2.2mm_M2]  190.99 19.1 0 top
REF**#3  -  [MountingHole_2.2mm_M2]  38.21 38.2 0 top
REF**#4  -  [MountingHole_2.2mm_M2]  171.9 38.2 0 top
REF**#5  -  [MountingHole_2.2mm_M2]  19.1 19.1 0 top
REF**#6  -  [MountingHole_2.2mm_M2]  76.39 76.4 0 top
REF**#7  -  [MountingHole_2.2mm_M2]  76.39 57.3 0 top
REF**#8  -  [MountingHole_2.2mm_M2]  133.7 19.1 0 top
REF**#9  -  [MountingHole_2.2mm_M2]  57.3 57.3 0 top
REF**#10  -  [MountingHole_2.2mm_M2]  133.61 57.3 0 top
REF**#11  -  [MountingHole_2.2mm_M2]  190.99 57.3 0 top
REF**#12  -  [MountingHole_2.2mm_M2]  210.1 38.2 0 top
REF**#13  -  [MountingHole_2.2mm_M2]  19.1 57.3 0 top
REF**#14  -  [MountingHole_2.2mm_M2]  114.59 19.1 0 top
REF**#15  -  [MountingHole_2.2mm_M2]  57.3 19.1 0 top
REF**#16  -  [MountingHole_2.2mm_M2]  95.5 57.3 0 top
REF**#17  -  [MountingHole_2.2mm_M2]  133.7 38.2 0 top
REF**#18  -  [MountingHole_2.2mm_M2]  38.19 76.4 0 top
REF**#19  -  [MountingHole_2.2mm_M2]  210.1 76.4 0 top
REF**#20  -  [MountingHole_2.2mm_M2]  133.61 76.4 0 top
REF**#21  -  [MountingHole_2.2mm_M2]  95.5 19.1 0 top
REF**#22  -  [MountingHole_2.2mm_M2]  114.59 57.3 0 top
REF**#23  -  [MountingHole_2.2mm_M2]  76.39 38.2 0 top
REF**#24  -  [MountingHole_2.2mm_M2]  171.9 76.4 0 top
REF**#25  -  [MountingHole_2.2mm_M2]  210.1 19.1 0 top
REF**#26  -  [MountingHole_2.2mm_M2]  210.1 57.3 0 top
REF**#27  -  [MountingHole_2.2mm_M2]  190.99 76.4 0 top
REF**#28  -  [MountingHole_2.2mm_M2]  152.79 19.1 0 top
REF**#29  -  [MountingHole_2.2mm_M2]  57.3 76.4 0 top
REF**#30  -  [MountingHole_2.2mm_M2]  57.3 38.2 0 top
REF**#31  -  [MountingHole_2.2mm_M2]  171.9 19.1 0 top
REF**#32  -  [MountingHole_2.2mm_M2]  152.79 57.3 0 top
REF**#33  -  [MountingHole_2.2mm_M2]  38.21 19.1 0 top
REF**#34  -  [MountingHole_2.2mm_M2]  114.59 38.2 0 top
REF**#35  -  [MountingHole_2.2mm_M2]  95.5 38.2 0 top
REF**#36  -  [MountingHole_2.2mm_M2]  95.5 76.4 0 top
REF**#37  -  [MountingHole_2.2mm_M2]  19.1 76.4 0 top
REF**#38  -  [MountingHole_2.2mm_M2]  114.59 76.4 0 top
REF**#39  -  [MountingHole_2.2mm_M2]  19.1 38.2 0 top
REF**#40  -  [MountingHole_2.2mm_M2]  38.19 57.3 0 top
REF**#41  -  [MountingHole_2.2mm_M2]  76.39 19.1 0 top
REF**#42  -  [MountingHole_2.2mm_M2]  152.79 76.4 0 top
REF**#43  -  [MountingHole_2.2mm_M2]  190.99 38.2 0 top
REF**#44  -  [MountingHole_2.2mm_M2]  152.79 38.2 0 top
SW1  RotaryEncoder_Switch  [RotaryEncoder_EC11]  9.55 85.95 90 top
SW2  RotaryEncoder_Switch  [RotaryEncoder_EC11]  9.55 28.65 90 top
SW3  RotaryEncoder_Switch  [RotaryEncoder_EC11]  9.55 9.55 90 top
SW4  RotaryEncoder_Switch  [RotaryEncoder_EC11]  219.65 85.95 90 top
SW5  RotaryEncoder_Switch  [RotaryEncoder_EC11]  219.65 28.65 90 top
SW6  RotaryEncoder_Switch  [RotaryEncoder_EC11]  219.65 9.55 90 top
SW7  RotaryEncoder_Switch  [RotaryEncoder_EC11]  9.55 47.75 90 top
SW8  RotaryEncoder_Switch  [RotaryEncoder_EC11]  219.65 47.75 90 top
SW_A1  KEYSW  [MX-Alps-Choc-v1_v2-1U-NoLED]  9.55 85.95 0 top
SW_A2  KEYSW  [MX-Alps-Choc-v1_v2-1U-NoLED]  28.65 85.95 0 top
SW_A3  KEYSW  [MX-Alps-Choc-v1_v2-1U-NoLED]  47.75 85.95 0 top
SW_A4  KEYSW  [MX-Alps-Choc-v1_v2-1U-NoLED]  66.85 85.95 0 top
SW_A5  KEYSW  [MX-Alps-Choc-v1_v2-1U-NoLED]  85.95 85.95 0 top
SW_A6  KEYSW  [MX-Alps-Choc-v1_v2-1U-NoLED]  105.05 85.95 0 top
SW_A7  KEYSW  [MX-Alps-Choc-v1_v2-1U-NoLED]  124.15 85.95 0 top
SW_A8  KEYSW  [MX-Alps-Choc-v1_v2-1U-NoLED]  143.25 85.95 0 top
SW_A9  KEYSW  [MX-Alps-Choc-v1_v2-1U-NoLED]  162.35 85.95 0 top
SW_A10  KEYSW  [MX-Alps-Choc-v1_v2-1U-NoLED]  181.45 85.95 0 top
SW_A11  KEYSW  [MX-Alps-Choc-v1_v2-1U-NoLED]  200.55 85.95 0 top
SW_A12  KEYSW  [MX-Alps-Choc-v1_v2-1U-NoLED]  219.65 85.95 0 top
SW_B1  KEYSW  [MX-Alps-Choc-v1_v2-1U-NoLED]  9.55 66.85 0 top
SW_B2  KEYSW  [MX-Alps-Choc-v1_v2-1U-NoLED]  28.65 66.85 0 top
SW_B3  KEYSW  [MX-Alps-Choc-v1_v2-1U-NoLED]  47.75 66.85 0 top
SW_B4  KEYSW  [MX-Alps-Choc-v1_v2-1U-NoLED]  66.85 66.85 0 top
SW_B5  KEYSW  [MX-Alps-Choc-v1_v2-1U-NoLED]  85.95 66.85 0 top
SW_B6  KEYSW  [MX-Alps-Choc-v1_v2-1U-NoLED]  105.05 66.85 0 top
SW_B7  KEYSW  [MX-Alps-Choc-v1_v2-1U-NoLED]  124.15 66.85 0 top
SW_B8  KEYSW  [MX-Alps-Choc-v1_v2-1U-NoLED]  143.25 66.85 0 top
SW_B9  KEYSW  [MX-Alps-Choc-v1_v2-1U-NoLED]  162.35 66.85 0 top
SW_B10  KEYSW  [MX-Alps-Choc-v1_v2-1U-NoLED]  181.45 66.85 0 top
SW_B11  KEYSW  [MX-Alps-Choc-v1_v2-1U-NoLED]  200.55 66.85 0 top
SW_B12  KEYSW  [MX-Alps-Choc-v1_v2-1U-NoLED]  219.65 66.85 0 top
SW_C1  KEYSW  [MX-Alps-Choc-v1_v2-1U-NoLED]  9.55 47.75 0 top
SW_C2  KEYSW  [MX-Alps-Choc-v1_v2-1U-NoLED]  28.65 47.75 0 top
SW_C3  KEYSW  [MX-Alps-Choc-v1_v2-1U-NoLED]  47.75 47.75 0 top
SW_C4  KEYSW  [MX-Alps-Choc-v1_v2-1U-NoLED]  66.85 47.75 0 top
SW_C5  KEYSW  [MX-Alps-Choc-v1_v2-1U-NoLED]  85.95 47.75 0 top
SW_C6  KEYSW  [MX-Alps-Choc-v1_v2-1U-NoLED]  105.05 47.75 0 top
SW_C7  KEYSW  [MX-Alps-Choc-v1_v2-1U-NoLED]  124.15 47.75 0 top
SW_C8  KEYSW  [MX-Alps-Choc-v1_v2-1U-NoLED]  143.25 47.75 0 top
SW_C9  KEYSW  [MX-Alps-Choc-v1_v2-1U-NoLED]  162.35 47.75 0 top
SW_C10  KEYSW  [MX-Alps-Choc-v1_v2-1U-NoLED]  181.45 47.75 0 top
SW_C11  KEYSW  [MX-Alps-Choc-v1_v2-1U-NoLED]  200.55 47.75 0 top
SW_C12  KEYSW  [MX-Alps-Choc-v1_v2-1U-NoLED]  219.65 47.75 0 top
SW_D1  KEYSW  [MX-Alps-Choc-v1_v2-1U-NoLED]  9.55 28.65 0 top
SW_D2  KEYSW  [MX-Alps-Choc-v1_v2-1U-NoLED]  28.65 28.65 0 top
SW_D3  KEYSW  [MX-Alps-Choc-v1_v2-1U-NoLED]  47.75 28.65 0 top
SW_D4  KEYSW  [MX-Alps-Choc-v1_v2-1U-NoLED]  66.85 28.65 0 top
SW_D5  KEYSW  [MX-Alps-Choc-v1_v2-1U-NoLED]  85.95 28.65 0 top
SW_D6  KEYSW  [MX-Alps-Choc-v1_v2-1U-NoLED]  105.05 28.65 0 top
SW_D7  KEYSW  [MX-Alps-Choc-v1_v2-1U-NoLED]  124.15 28.65 0 top
SW_D8  KEYSW  [MX-Alps-Choc-v1_v2-1U-NoLED]  143.25 28.65 0 top
SW_D9  KEYSW  [MX-Alps-Choc-v1_v2-1U-NoLED]  162.35 28.65 0 top
SW_D10  KEYSW  [MX-Alps-Choc-v1_v2-1U-NoLED]  181.45 28.65 0 top
SW_D11  KEYSW  [MX-Alps-Choc-v1_v2-1U-NoLED]  200.55 28.65 0 top
SW_D12  KEYSW  [MX-Alps-Choc-v1_v2-1U-NoLED]  219.65 28.65 0 top
SW_Da5  KEYSW  [MX-Alps-Choc-v1_v2-2U-StabFlip-NoLED]  95.5 28.65 0 top
SW_Da6  KEYSW  [MX-Alps-Choc-v1_v2-2U-StabFlip-NoLED]  114.6 28.65 0 top
SW_Da7  KEYSW  [MX-Alps-Choc-v1_v2-2U-StabFlip-NoLED]  133.7 28.65 0 top
SW_E1  KEYSW  [MX-Alps-Choc-v1_v2-1U-NoLED]  9.55 9.55 0 top
SW_E2  KEYSW  [MX-Alps-Choc-v1_v2-1U-NoLED]  28.65 9.55 0 top
SW_E3  KEYSW  [MX-Alps-Choc-v1_v2-1U-NoLED]  47.75 9.55 0 top
SW_E4  KEYSW  [MX-Alps-Choc-v1_v2-1U-NoLED]  66.85 9.55 0 top
SW_E5  KEYSW  [MX-Alps-Choc-v1_v2-1U-NoLED]  85.95 9.55 0 top
SW_E6  KEYSW  [MX-Alps-Choc-v1_v2-1U-NoLED]  105.05 9.55 0 top
SW_E7  KEYSW  [MX-Alps-Choc-v1_v2-1U-NoLED]  124.15 9.55 0 top
SW_E8  KEYSW  [MX-Alps-Choc-v1_v2-1U-NoLED]  143.25 9.55 0 top
SW_E9  KEYSW  [MX-Alps-Choc-v1_v2-1U-NoLED]  162.35 9.55 0 top
SW_E10  KEYSW  [MX-Alps-Choc-v1_v2-1U-NoLED]  181.45 9.55 0 top
SW_E11  KEYSW  [MX-Alps-Choc-v1_v2-1U-NoLED]  200.55 9.55 0 top
SW_E12  KEYSW  [MX-Alps-Choc-v1_v2-1U-NoLED]  219.65 9.55 0 top
SW_Ea5  KEYSW  [MX-Alps-Choc-v1_v2-2U-StabFlip-NoLED]  95.5 9.55 0 top
SW_Ea6  KEYSW  [MX-Alps-Choc-v1_v2-2U-StabFlip-NoLED]  114.6 9.55 0 top
SW_Ea7  KEYSW  [MX-Alps-Choc-v1_v2-2U-StabFlip-NoLED]  133.7 9.55 0 top
U1  ProMicro  [ArduinoProMicro]  47.75 77.51 270 top

## Library data of the parts
D1-D60 = -: ki_fp_filters: TO-???* *_Diode_* *SingleDiode* D_*
SW1-SW8 = -: ki_fp_filters: RotaryEncoder*Switch*

## Footprints (pads in the part's own frame, mm; a bottom-side part is the same pattern mirrored in y, then rotated)
ArduinoProMicro
  rect 1.753x1.753 hole 1.092: 1(-13.97,-7.62)
  round 1.753 hole 1.092: 2(-11.43,-7.62) 3(-8.89,-7.62) 4(-6.35,-7.62) 5(-3.81,-7.62) 6(-1.27,-7.62) 7(1.27,-7.62) 8(3.81,-7.62) 9(6.35,-7.62) 10(8.89,-7.62) 11(11.43,-7.62) 12(13.97,-7.62) 13(13.97,7.62) 14(11.43,7.62) 15(8.89,7.62) 16(6.35,7.62) 17(3.81,7.62) 18(1.27,7.62) 19(-1.27,7.62) 20(-3.81,7.62) 21(-6.35,7.62) 22(-8.89,7.62) 23(-11.43,7.62) 24(-13.97,7.62)
Diode-Hybrid-Back
  rect 1.6x1.2 smd far side: 1(1.4,0) 2(-1.4,0)
  rect 2.9x0.5 smd far side: 1(2.5,0) 2(-2.5,0)
  rect 1.6x1.6 hole 1: 1(3.9,0)
  round 1.6 hole 1: 2(-3.9,0)
MountingHole_2.2mm_M2
  round 2.2 hole 2.2 unplated: (0,0)
MX-Alps-Choc-v1_v2-1U-NoLED
  round 1.7 hole 1.7 unplated: (-5.5,0) (5.5,0)
  round 1.6 hole 1.6 unplated: (-5.22,-4.2)
  round 1.75 hole 1.75 unplated: (-5.08,0) (5.08,0)
  round 5.05 hole 5.05 unplated: (0,0)
  oval 2.831x2.25 hole 1.47 rot 86.1: 1(2.5,4.5)
  round 2.25 hole 1.47: 1(2.54,5.08) 2(-2.5,4)
  round 2 hole 1.2: 1(5,3.8) 2(0,5.9)
  oval 4.212x2.25 hole 1.47 rot 48.1: 2(-3.81,2.54)
MX-Alps-Choc-v1_v2-2U-StabFlip-NoLED
  round 3.988 hole 3.988 unplated: (-11.938,8.255) (11.938,8.255)
  round 3.048 hole 3.048 unplated: (-11.938,-6.985) (11.938,-6.985)
  round 1.7 hole 1.7 unplated: (-5.5,0) (5.5,0)
  round 1.6 hole 1.6 unplated: (-5.22,-4.2)
  round 1.75 hole 1.75 unplated: (-5.08,0) (5.08,0)
  round 5.05 hole 5.05 unplated: (0,0)
  oval 4.212x2.25 hole 1.47 rot 48.1: 1(-3.81,2.54)
  round 2.25 hole 1.47: 1(-2.5,4) 2(2.54,5.08)
  round 2 hole 1.2: 1(0,5.9) 2(5,3.8)
  oval 2.831x2.25 hole 1.47 rot 86.1: 2(2.5,4.5)
RotaryEncoder_EC11
  oval 3.2x2 hole 2.8x1.5 unplated: (0,5.6) (0,-5.6)
  rect 2x2 hole 1: A(-7.5,2.5)
  round 2 hole 1: B(-7.5,-2.5) C(-7.5,0) S1(7,-2.5) S2(7,2.5)

## Nets
GND: SW1.C SW2.C SW3.C SW4.C SW5.C SW6.C SW7.C SW8.C U1.3 U1.4 U1.23
VCC: U1.21
A1RotA: D1.1 SW1.S2 SW_A1.2
A1RotB: SW1.S1 SW2.S1 SW3.S1 SW7.S1 SW_A1.1 SW_A9.1 SW_B1.1 SW_C1.1 SW_C9.1 SW_D1.1 SW_E1.1 U1.20
A12RotA: D12.1 SW4.S2 SW_A12.2
A12RotB: SW4.S1 SW8.S1 SW_A4.1 SW_A12.1 SW_B4.1 SW_C4.1 SW_C12.1 SW_D4.1 SW_E4.1 U1.17
C1RotA: D26.1 SW7.S2 SW_C1.2
C12RotA: D25.1 SW8.S2 SW_C12.2
col1: SW_A2.1 SW_A10.1 SW_B2.1 SW_C2.1 SW_C10.1 SW_D2.1 SW_E2.1 U1.19
col2: SW_A3.1 SW_A11.1 SW_B3.1 SW_C3.1 SW_C11.1 SW_D3.1 SW_E3.1 U1.18
col4: SW_A5.1 SW_B5.1 SW_B9.1 SW_C5.1 SW_D5.1 SW_D9.1 SW_Da5.1 SW_E5.1 SW_E9.1 SW_Ea5.1 U1.16
col5: SW_A6.1 SW_B6.1 SW_B10.1 SW_C6.1 SW_D6.1 SW_D10.1 SW_Da6.1 SW_E6.1 SW_E10.1 SW_Ea6.1 U1.15
col6: SW_A7.1 SW_B7.1 SW_B11.1 SW_C7.1 SW_D7.1 SW_D11.1 SW_Da7.1 SW_E7.1 SW_E11.1 SW_Ea7.1 U1.14
D1RotA: D48.1 SW2.S2 SW_D1.2
D12RotA: D37.1 SW5.S2 SW_D12.2
D12RotB: SW5.S1 SW6.S1 SW_A8.1 SW_B8.1 SW_B12.1 SW_C8.1 SW_D8.1 SW_D12.1 SW_E8.1 SW_E12.1 U1.13
E1RotA: D50.1 SW3.S2 SW_E1.2
E12RotA: D49.1 SW6.S2 SW_E12.2
encA: SW1.A SW2.A SW3.A SW4.A SW5.A SW6.A SW7.A SW8.A U1.1
encB: SW1.B SW2.B SW3.B SW4.B SW5.B SW6.B SW7.B SW8.B U1.2
rowA: D1.2 D2.2 D3.2 D4.2 D5.2 D6.2 D7.2 D8.2 U1.5
rowB: D13.2 D14.2 D15.2 D16.2 D17.2 D18.2 D19.2 D20.2 U1.6
rowC: D26.2 D27.2 D28.2 D29.2 D30.2 D31.2 D32.2 D33.2 U1.7
rowD: D39.2 D40.2 D41.2 D42.2 D43.2 D44.2 D45.2 D48.2 U1.8
rowE: D9.2 D10.2 D11.2 D12.2 D21.2 D22.2 D23.2 D24.2 U1.9
rowF: D25.2 D34.2 D35.2 D36.2 D37.2 D38.2 D46.2 D47.2 U1.10
rowG: D50.2 D51.2 D52.2 D53.2 D54.2 D55.2 D56.2 D57.2 U1.11
rowH: D49.2 D58.2 D59.2 D60.2 U1.12
Net-(D2-K): D2.1 SW_A2.2
Net-(D3-K): D3.1 SW_A3.2
Net-(D4-K): D4.1 SW_A4.2
Net-(D5-K): D5.1 SW_A5.2
Net-(D6-K): D6.1 SW_A6.2
Net-(D7-K): D7.1 SW_A7.2
Net-(D8-K): D8.1 SW_A8.2
Net-(D9-K): D9.1 SW_A9.2
Net-(D10-K): D10.1 SW_A10.2
Net-(D11-K): D11.1 SW_A11.2
Net-(D13-K): D13.1 SW_B1.2
Net-(D14-K): D14.1 SW_B2.2
Net-(D15-K): D15.1 SW_B3.2
Net-(D16-K): D16.1 SW_B4.2
Net-(D17-K): D17.1 SW_B5.2
Net-(D18-K): D18.1 SW_B6.2
Net-(D19-K): D19.1 SW_B7.2
Net-(D20-K): D20.1 SW_B8.2
Net-(D21-K): D21.1 SW_B9.2
Net-(D22-K): D22.1 SW_B10.2
Net-(D23-K): D23.1 SW_B11.2
Net-(D24-K): D24.1 SW_B12.2
Net-(D27-K): D27.1 SW_C2.2
Net-(D28-K): D28.1 SW_C3.2
Net-(D29-K): D29.1 SW_C4.2
Net-(D30-K): D30.1 SW_C5.2
Net-(D31-K): D31.1 SW_C6.2
Net-(D32-K): D32.1 SW_C7.2
Net-(D33-K): D33.1 SW_C8.2
Net-(D34-K): D34.1 SW_C9.2
Net-(D35-K): D35.1 SW_C10.2
Net-(D36-K): D36.1 SW_C11.2
Net-(D38-K): D38.1 SW_D11.2
Net-(D39-K): D39.1 SW_D2.2
Net-(D40-K): D40.1 SW_D3.2
Net-(D41-K): D41.1 SW_D4.2
Net-(D42-K): D42.1 SW_D5.2 SW_Da5.2
Net-(D43-K): D43.1 SW_D6.2 SW_Da6.2
Net-(D44-K): D44.1 SW_D7.2 SW_Da7.2
Net-(D45-K): D45.1 SW_D8.2
Net-(D46-K): D46.1 SW_D9.2
Net-(D47-K): D47.1 SW_D10.2
Net-(D51-K): D51.1 SW_E2.2
Net-(D52-K): D52.1 SW_E3.2
Net-(D53-K): D53.1 SW_E4.2
Net-(D54-K): D54.1 SW_E5.2 SW_Ea5.2
Net-(D55-K): D55.1 SW_E6.2 SW_Ea6.2
Net-(D56-K): D56.1 SW_E7.2 SW_Ea7.2
Net-(D57-K): D57.1 SW_E8.2
Net-(D58-K): D58.1 SW_E9.2
Net-(D59-K): D59.1 SW_E10.2
Net-(D60-K): D60.1 SW_E11.2